# KiCad board panel.opm-inline.kicad_pcb (continued)
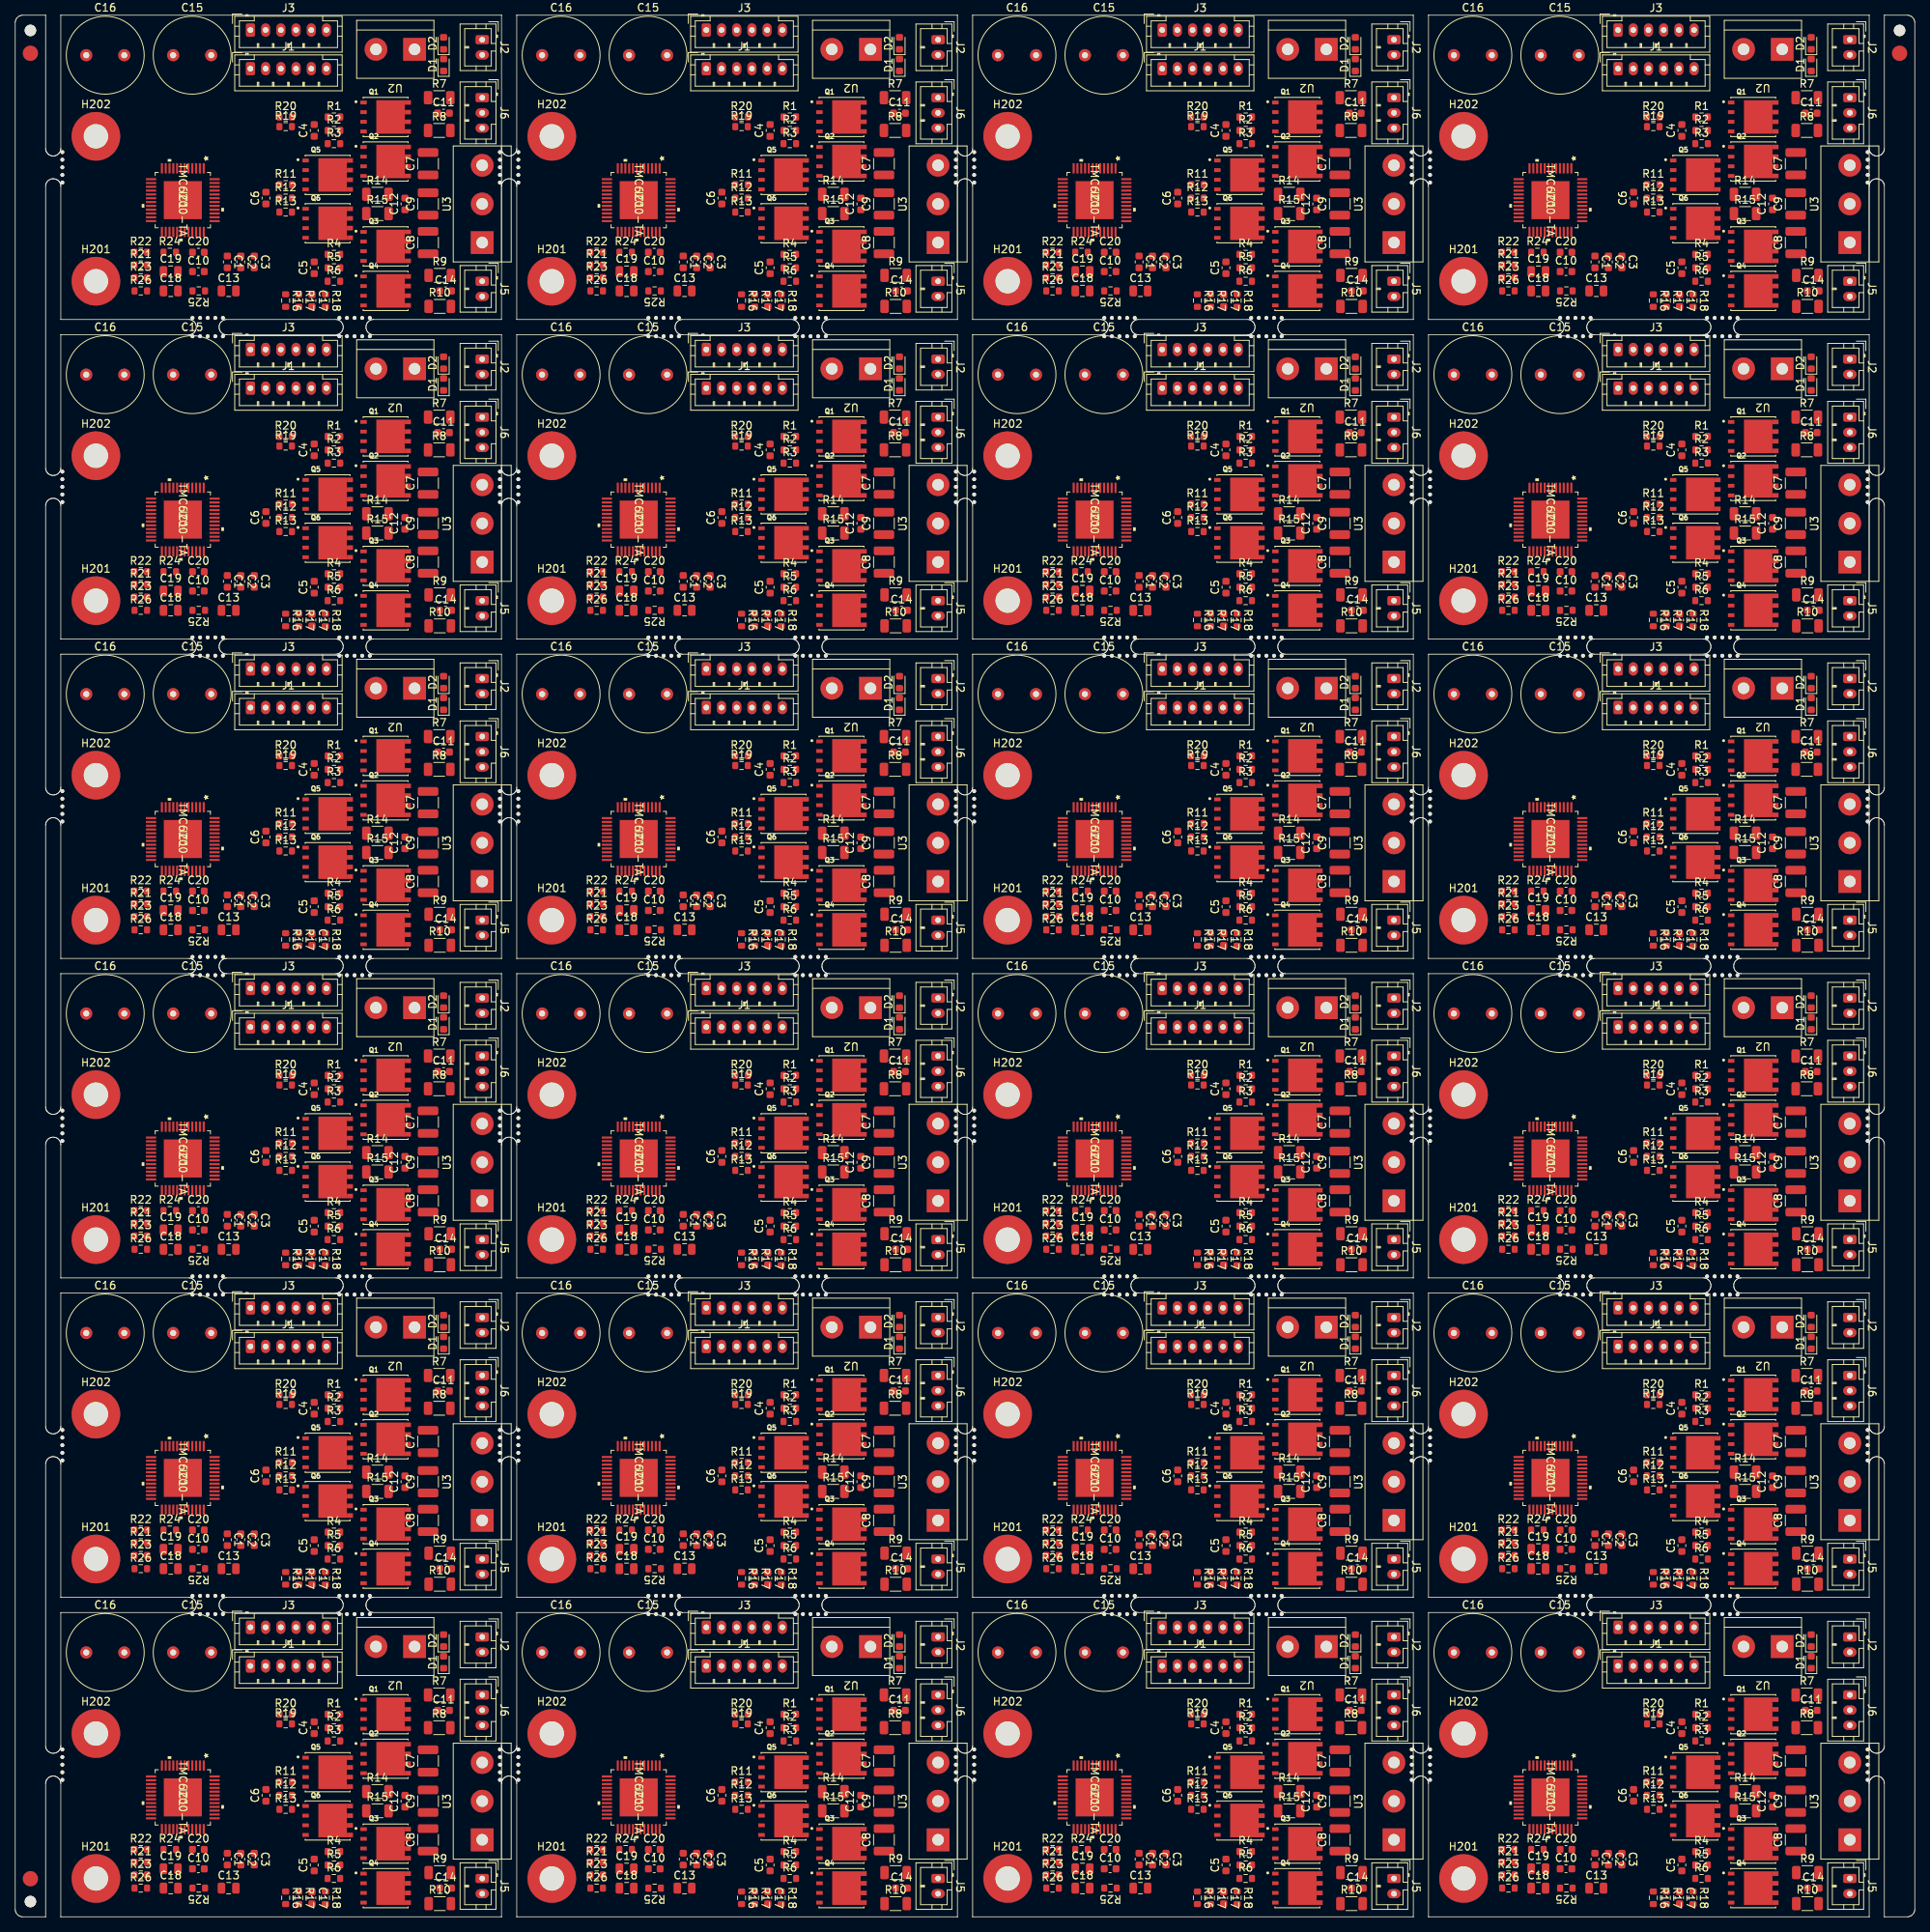
[diagram p0: board, top side]
## Nets (continued)
Pads without a net: IC1 2 28 31 35 40 45; IC1#2 2 28 31 35 40 45; IC1#3 2 28 31 35 40 45; IC1#4 2 28 31 35 40 45; IC1#5 2 28 31 35 40 45; IC1#6 2 28 31 35 40 45; IC1#7 2 28 31 35 40 45; IC1#8 2 28 31 35 40 45; IC1#9 2 28 31 35 40 45; IC1#10 2 28 31 35 40 45; IC1#11 2 28 31 35 40 45; IC1#12 2 28 31 35 40 45; IC1#13 2 28 31 35 40 45; IC1#14 2 28 31 35 40 45; IC1#15 2 28 31 35 40 45; IC1#16 2 28 31 35 40 45; IC1#17 2 28 31 35 40 45; IC1#18 2 28 31 35 40 45; IC1#19 2 28 31 35 40 45; IC1#20 2 28 31 35 40 45; IC1#21 2 28 31 35 40 45; IC1#22 2 28 31 35 40 45; IC1#23 2 28 31 35 40 45; IC1#24 2 28 31 35 40 45; Q1 9; Q1#2 9; Q1#3 9; Q1#4 9; Q1#5 9; Q1#6 9; Q1#7 9; Q1#8 9; Q1#9 9; Q1#10 9; Q1#11 9; Q1#12 9; Q1#13 9; Q1#14 9; Q1#15 9; Q1#16 9; Q1#17 9; Q1#18 9; Q1#19 9; Q1#20 9; Q1#21 9; Q1#22 9; Q1#23 9; Q1#24 9; Q2 9; Q2#2 9; Q2#3 9; Q2#4 9; Q2#5 9; Q2#6 9; Q2#7 9; Q2#8 9; Q2#9 9; Q2#10 9; Q2#11 9; Q2#12 9; Q2#13 9; Q2#14 9; Q2#15 9; Q2#16 9; Q2#17 9; Q2#18 9; Q2#19 9; Q2#20 9; Q2#21 9; Q2#22 9; Q2#23 9; Q2#24 9; Q3 9; Q3#2 9; Q3#3 9; Q3#4 9; Q3#5 9; Q3#6 9; Q3#7 9; Q3#8 9; Q3#9 9; Q3#10 9; Q3#11 9; Q3#12 9; Q3#13 9; Q3#14 9; Q3#15 9; Q3#16 9; Q3#17 9; Q3#18 9; Q3#19 9; Q3#20 9; Q3#21 9; Q3#22 9; Q3#23 9; Q3#24 9; Q4 9; Q4#2 9; Q4#3 9; Q4#4 9; Q4#5 9; Q4#6 9; Q4#7 9; Q4#8 9; Q4#9 9; Q4#10 9; Q4#11 9; Q4#12 9; Q4#13 9; Q4#14 9; Q4#15 9; Q4#16 9; Q4#17 9; Q4#18 9; Q4#19 9; Q4#20 9; Q4#21 9; Q4#22 9; Q4#23 9; Q4#24 9; Q5 9; Q5#2 9; Q5#3 9; Q5#4 9; Q5#5 9; Q5#6 9; Q5#7 9; Q5#8 9; Q5#9 9; Q5#10 9; Q5#11 9; Q5#12 9; Q5#13 9; Q5#14 9; Q5#15 9; Q5#16 9; Q5#17 9; Q5#18 9; Q5#19 9; Q5#20 9; Q5#21 9; Q5#22 9; Q5#23 9; Q5#24 9; Q6 9; Q6#2 9; Q6#3 9; Q6#4 9; Q6#5 9; Q6#6 9; Q6#7 9; Q6#8 9; Q6#9 9; Q6#10 9; Q6#11 9; Q6#12 9; Q6#13 9; Q6#14 9; Q6#15 9; Q6#16 9; Q6#17 9; Q6#18 9; Q6#19 9; Q6#20 9; Q6#21 9; Q6#22 9; Q6#23 9; Q6#24 9
